# Altium PCB Monitait_V2.PcbDoc (part 1 of 2) (continued)
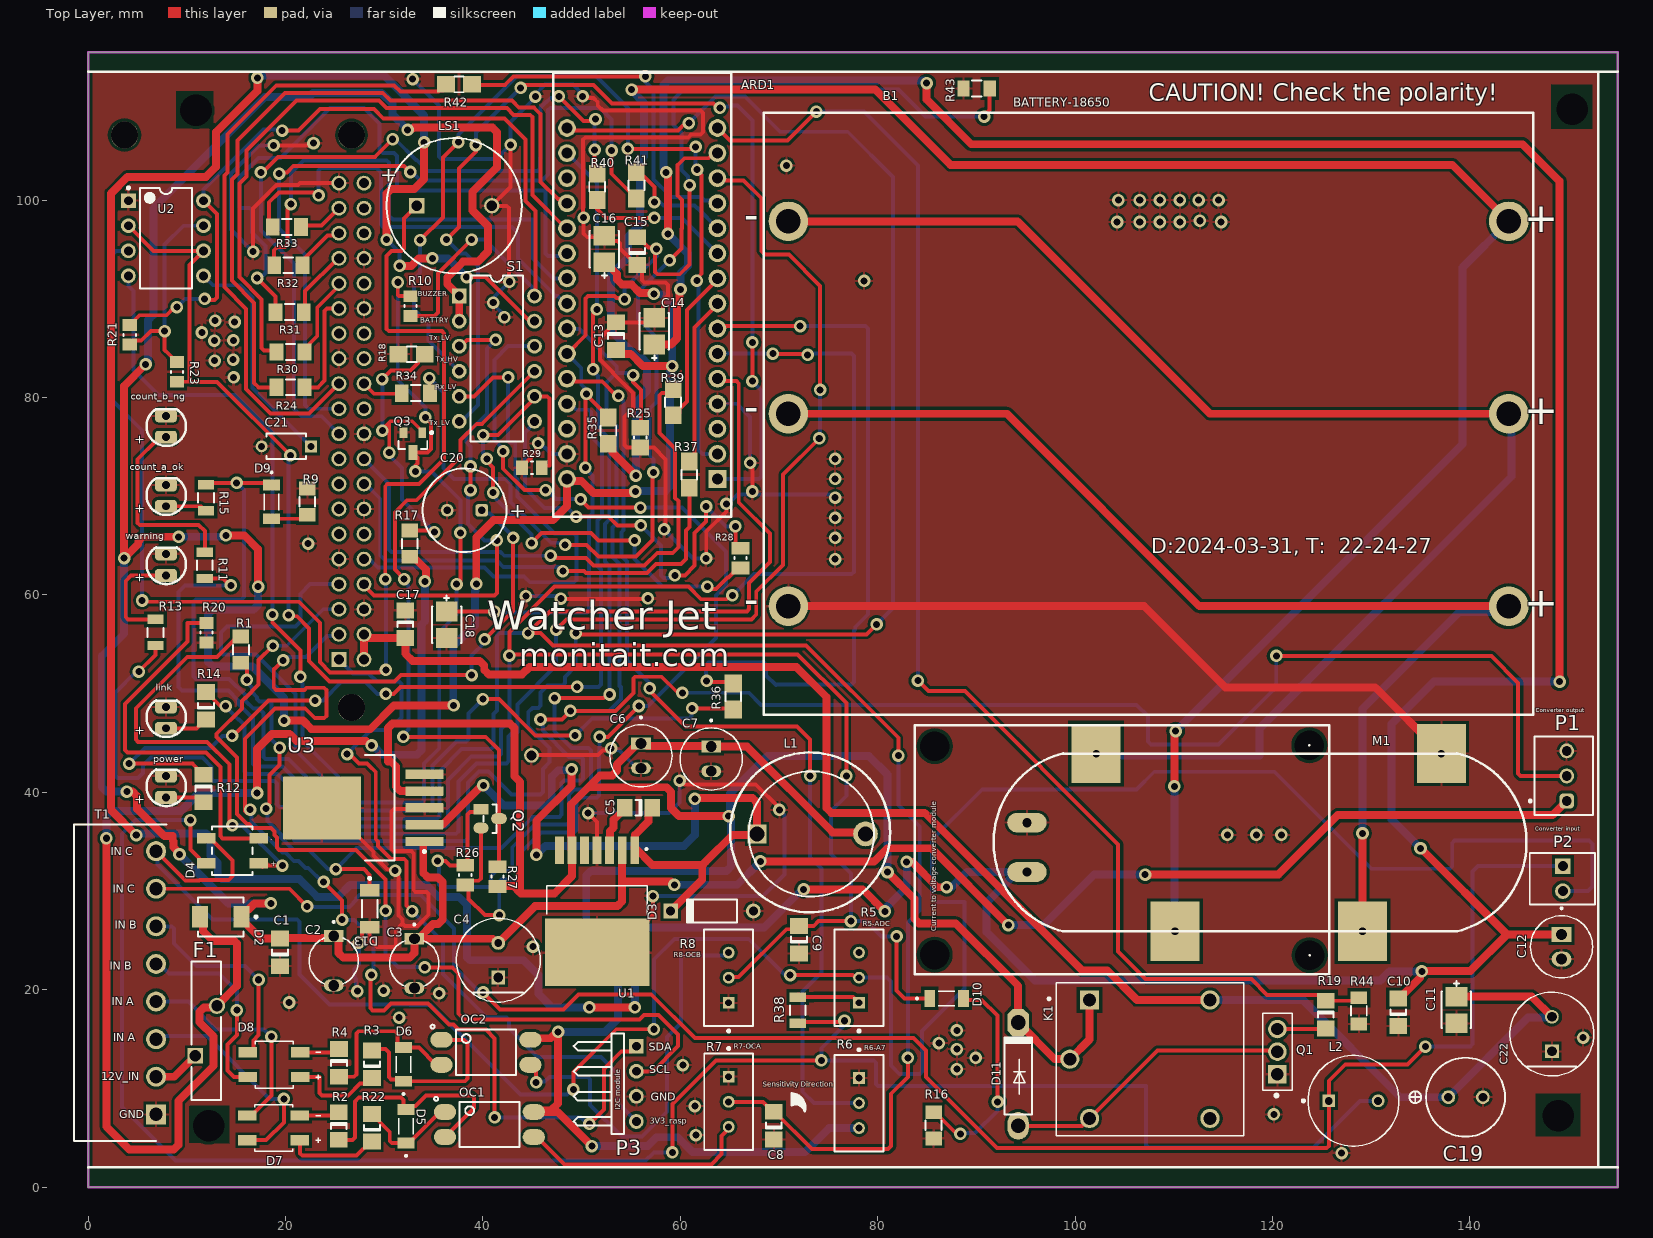
[diagram p0: Top Layer view]
## Part data (continued)
D3: library part 1N746A, "500 mW Hermetically Sealed Glass Silicon Zener Diode", Code_JEDEC=DO-204-AH, ComponentLink1Description="Manufacturer Link", ComponentLink1URL=http://www.onsemi.com/site/products/landing?taxonomyID=194, LatestRevisionDate=17-Jul-2002, LatestRevisionNote="Re-released for DXP Platform.", PackageDescription="Diode, Axial; Body 5.1 x 2.3 mm (LxDia. max), Lead Dia. 0.56 mm (max)", PackageReference=299-02, Published=29-Sep-2000, Publisher="Altium Limited"
D4: library part CMP-12791-000022-1, "BRIDGE RECT 1PHASE 1KV 800MA MBF", Capacitance=8pF, Forward Current=0.5A, Manufacturer="Diodes Incorporated", Max Junction Temp=+150°C, Max Repetitive Reverse Voltage=1000V, Max Surge Forward Current=30A, Package=MBF, Peak Reverse Current=0.2uA, Temperature="-55°C to +150°C", Temperature Range Low=-55°C, Automotive=No, Category=Diode, ComponentLink2Description=Datasheet, ComponentLink2URL=https://www.diodes.com/assets/Datasheets/MB10F.pdf, Device Class L1="Discrete Semiconductors", Device Class L2=Diodes, Device Class L3="Rectifier Diodes", Digikey Description="BRIDGE RECT 1PHASE 1KV 800MA MBF", Footprint Url=https://www.diodes.com/assets/Package-Files/MBF.pdf, Height=1.8mm, Lead Free=Yes, Manufacturer Part Number=MB10F-13, Mouser Description="Diode Rectifier Bridge Single 1000V 0.8A 4-Pin Case MBF T/R", Octopart=https://octopart.com/mb10f-13-diodes+inc.-82160020, Reverse Voltage=1000V, RoHS=TRUE, Temperature Range High=+150°C
D5 D6 D9 D10: "Zener Diode Single 18V 5% 21Ohm 500mW 2-Pin Mini-MELF", Package="MINI MELF-2-2 Taiwan Semiconductor", Availability="Not in stock", Check_prices=https://www.snapeda.com/parts/LLZ5248B/Taiwan+Semiconductor/view-part/?ref=eda, MF="Taiwan Semiconductor", MP=LLZ5248B, Price=None, SnapEDA_Link=https://www.snapeda.com/parts/LLZ5248B/Taiwan+Semiconductor/view-part/?ref=snap
D7 D8: "Bridge Rectifier Single Phase Standard 1 kV Surface Mount MBF", Package="SMD-4 Diodes Inc.", Availability="In Stock", Check_prices=https://www.snapeda.com/parts/MB10F-13/Diodes+Inc./view-part/?ref=eda, MF="Diodes Inc.", MP=MB10F-13, Price=None, Purchase-URL=https://pricing.snapeda.com/search/part/MB10F-13/?ref=eda, SnapEDA_Link=https://www.snapeda.com/parts/MB10F-13/Diodes+Inc./view-part/?ref=snap
D11: "1 Amp Diode"
D13: library part CMP-02541-000008-1, "DIODE ZENER 3.3V 500MW SOD80", Forward Current=200mA, Manufacturer=Vishay, Max Junction Temp=+175°C, Max Reverse Leakage Current=2uA, Max Zener Voltage=3.5V, Nom Zener Voltage=3.3V, Package=6.560-5005.01-4, Power Dissipation=500mW, Reverse Voltage=1V, Temperature="to +175°C", Automotive=Yes, Automotive Grade="Grade 0", Category=Diode, ComponentLink2Description=Datasheet, ComponentLink2URL=http://www.vishay.com/docs/84122/tzm.pdf, Device Class L1="Discrete Semiconductors", Device Class L2=Diodes, Device Class L3="Zener Diodes", Digikey Description="DIODE ZENER 3.3V 500MW SOD80", Height=1.6mm, Lead Free=Yes, Manufacturer Part Number=TZMC3V3-GS08, Mouser Description="Zener Diodes 3.3 Volt 0.5 Watt", Octopart=https://octopart.com/tzmc3v3-gs08-vishay-55388698, RoHS=TRUE, Temperature Range High=+175°C, Zener Impedance=90Ω
F1: library part CMP-08606-000051-1, "PTC RESET FUSE 30V 4A RADIAL", Ambient Temperature Range High=+85°C, Ambient Temperature Range Low=-40°C, Current Rating=100A, Hold Current=4A, Manufacturer=Littelfuse, Resistance=0.01-0.05Ω, Temperature="-40°C to +85°C", Trip Current=8A, Voltage Rating=30V, Automotive=No, Category=Fuse, ComponentLink2Description=Datasheet, ComponentLink2URL=https://www.littelfuse.com/~/media/electronics/datasheets/resettable_ptcs/littelfuse_ptc_radial_leaded_ruef_datasheet.pdf.pdf, Device Class L1="Circuit Protection", Device Class L2="PTC Resettable Fuses", Device Class L3=unset, Digikey Description="PTC RESET FUSE 30V 4A RADIAL", Height=19.3mm, Lead Free=Yes, Manufacturer Part Number=RUEF400, Mouser Description="PTC Resettable Fuse 4A(hold) 8A(trip) 30V 100A 2.5W 12.7s 0.01Ohm Radial 14 X 3 X 19.3mm Bag", Octopart=https://octopart.com/ruef400-littelfuse-74215791, Package=RUEF400, RoHS=TRUE, Temperature Range High=+85°C, Temperature Range Low=-40°C, Trip Time=12.7s
K1: "ORWH Series Miniature PCB Relay with Wash Tight 1-Pole 1-Form C 1 CO 12 VDC 400 Ohm 360 mW Silver Zinc Oxide", Package=None, Availability=Unavailable, MP=1-1721150-3, Price=None
L1: library part CMP-2000-05038-1, "Fixed Inductor, 10 uH, +/- 10%, -40 to 85 degC, 2-Pin THD, RoHS, Bulk", Case Diameter=12.7mm, Case Length=18mm, Inductance=10uH, Manufacturer=ABRACON, Maximum DC Current=8.8A, Maximum DC Resistance=0.031Ohms, Operating Temperature Range=-40Cto+125C, Package / Case=12.7mmx18mm, Package Description="2-Pin Through Hole Device, Dia 12.7 mm, Pitch 7.37 mm", Package Reference=AIUR-06, Tolerance=10%, Brand=ABRACON, Core Material=Ferrite, Datasheet URL=http://www.abracon.com/Magnetics/radial/AIUR05-06.pdf, Datasheet Version="Rev. 1.1, 08/2004", Factory Pack Quantity=250, Lead Diameter=0.81mm, Lead Spacing=7.37mm, Manufacturer URL=http://www.abracon.com/, Packaging=Bulk, Product=PowerInductors, Product Category=FixedInductors, RoHS=Details, Series=AIUR-06, Shielding=Unshielded, Termination Style=Radial, Type=ThruHolePowerInductor
L2: library part CMP-07248-000082-1, "FIXED IND 1MH 420MA 2.1 OHM TH", Case/Package=Radial, Current Rating=300mA, DC Resistance (DCR)=2.1R, Inductance=1mH, Inductance Tolerance=10%, Max Operating Temperature=105°C, Min Operating Temperature=-40°C, Package Quantity=200, Resistor Type=Wirewound, Self Resonant Frequency=1.3MHz, Test Frequency=252kHz, Body Material=Ferrite, Core Material=Ferrite, DC Current=300mA, Diameter=8.7mm, Height=12mm, Height - Seated (Max)=0.512inch, Lead Diameter=0.65mm, Lead Pitch=5mm, Lead/Base Style=Radial, Length=12mm, Material=Steel, Max DC Current=300mA, Military Standard=Not, Mount="Through Hole", Number of Pins=2, Orientation=Vertical, Packaging=Bulk, Q Factor=40, Radiation Hardening=No, REACH SVHC="No SVHC", Resistance=2.1R, RMS Current (Irms)=300mA, RoHS Compliant=Yes, Series=RLB, Shielding=Unshielded, Termination=Radial, Tolerance=10%
LS1: library part CMP-2000-06518-1, "Piezo Indicator, 4100 Hz, 3 to 16 V, -20 to 70 degC, 2-Pin THD, RoHS", Current - Max=7A, Frequency Range=3600to4600Hz, Manufacturer=KingstateElectronicsCorp., Maximum Resonant Frequency=4600Hz, Maximum Supply Current=7mA, Operating Temperature=-20to70°C, Package Description="2-Pin Through Hole Device, Body Dia 13.7 mm, Pitch 7.62 mm", PartNumber=KPE-242, Typical Operating Supply Voltage=12Vdc, Category=AudioIndicatorsandAlerts, Datasheet URL=https://datasheet.ciiva.com/11776/0900766b8068f3a2-11776713.pdf, Datasheet Version=01/2006, Manufacturer URL=http://www.kingstate.com.tw/index.php/en/, Minimum Sound Pressure=70dBA, Mounting=ThroughHole, Mounting Technology=ThroughHole, Package Reference=KPEG242, Product Diameter=13.7mm, Product Height=7.6mm, Technology=Piezo, Termination Method=Pin, Tone Mode=Continuous, Type=Indicator
OC1 OC2: "Optoisolator Transistor Output 5000Vrms 1 Channel 4-SMD", Package="SMD-4 SOCLE Technology", Availability="In Stock", Check_prices=https://www.snapeda.com/parts/PC81713NIP0X/SHARP%252FSocle+Technology/view-part/?ref=eda, MF="SHARP/Socle Technology", MP=PC81713NIP0X, Price=None, Purchase-URL=https://pricing.snapeda.com/search/part/PC81713NIP0X/?ref=eda, SnapEDA_Link=https://www.snapeda.com/parts/PC81713NIP0X/SHARP%252FSocle+Technology/view-part/?ref=snap
P1: library part CMP-1502-00585-2, Color=Beige, Contact Resistance=20mΩ, Current Rating=3A, Flammability Rating="UL94 V-0", Insulation Resistance=1GΩ, Max Operating Temperature=105°C, Min Operating Temperature=-40°C, Operating Supply Voltage=250V, Connector Type="Male Pin", Contact Gender=Male, Contact Material=Copper, Contact Mating Length=7.493mm, Contact Plating=Tin, Fastening Type=Friction, Gender=Male, Height=12.5mm, Housing Material=Nylon, Lead Pitch=2.54mm, Length=7.62mm, Mount="Through Hole", NexarPartId=18818222, Number of Contacts=3, Number of Pins=3, Number of Positions=3, Number of Rows=1, Orientation=Vertical, Packaging=Bulk, Pitch=2.54mm, REACH SVHC=Unknown, RoHS=Compliant, Termination="Through Hole", Voltage Rating=250V, Width=7.66mm
P2: library part CMP-04776-000057-1, "CONN HEADER VERT 2POS 2.54MM", Current Rating=4A, Manufacturer=Molex, Voltage Rating=500V, Automotive=No, Category=Conn, ComponentLink2Description=Datasheet, ComponentLink2URL=https://www.molex.com/pdm_docs/sd/022235024_sd.pdf, Conn Gender=Male, Conn Orientation=Straight, Contact Material=Tin,Nickel, Device Class L1=Connectors, Device Class L2="Headers and Wire Housings", Device Class L3=unset, Digikey Description="CONN HEADER VERT 2POS 2.54MM", Height=8.43mm, Lead Free=Yes, Manufacturer Part Number=22-23-5024, Mouser Description="Headers & Wire Housings KK 100 Hdr Assy FLk Assy FLk 02 ckt Tin", Number of Contacts=2, Number of Rows=1, Octopart=https://octopart.com/22-23-5024-molex-6792956, Package=22-23-5024, Pitch=2.54mm, RoHS=TRUE
P3: "Header, 4-Pin, Right Angle", LatestRevisionDate=17-Jul-2002, LatestRevisionNote="Re-released for DXP Platform.", Publisher="Altium Limited"
Q1: "TRANSISTOR, NPN, TO-126; Transistor Polarity:NPN; Collector Emitter Voltage V(br)ceo:45V; Power Dissipation Pd:12.5W; DC Collector Current:1A; DC Current Gain hFE:40; Transistor Case Style:TO-126; No. of Pins:3; SVHC:No SVHC (18-Jun-2012); Collector Emitter Voltage Vces:500mV; Continuous Collector Current Ic Max:1A; Current Ic Continuous a Max:1A; Current Ic hFE:150mA; Full Power Rating Temperature:25Â°C; Hfe Min:40; No. of Transistors:1; Package / Case:TO-126; Power Dissipation Pd:12.5W; Power Dissipation Ptot Max:12.5W; Termination Type:Through Hole; Voltage Vcbo:45V", Package="TO-225-3 ON Semiconductor", Availability="In Stock", Check_prices=https://www.snapeda.com/parts/BD135/Onsemi/view-part/?ref=eda, MF="ON Semiconductor", MP=BD135, Price=None, Purchase-URL=https://pricing.snapeda.com/search/part/BD135/?ref=eda, SnapEDA_Link=https://www.snapeda.com/parts/BD135/Onsemi/view-part/?ref=snap
Q2: library part CMP-07173-000101-1, "MOSFET N-CH 50V 220MA SOT-23", Case/Package=SOT-23, Continuous Drain Current (ID)=220mA, Drain to Source Breakdown Voltage=50V, Drain to Source Resistance=3.5R, Gate to Source Voltage (Vgs)=20V, Input Capacitance=27pF, Max Operating Temperature=150°C, Max Power Dissipation=360mW, Min Operating Temperature=-55°C, On-State Resistance=6R, Package Quantity=1, Threshold Voltage=1.3V, Contact Plating=Tin, Current Rating=220mA, Drain to Source Voltage (Vdss)=50V, Dual Supply Voltage=50V, Element Configuration=Single, Fall Time=9ns, Height=0.93mm, Lead Free="Lead Free", Length=2.92mm, Mount="Surface Mount", Nominal Vgs=1.3V, Number of Elements=1, Number of Pins=3, Packaging="Tape and Reel", Power Dissipation=360mW, Radiation Hardening=No, Rds On Max=3.5R, REACH SVHC="No SVHC", Rise Time=9ns, Termination=SMD/SMT, Turn-Off Delay Time=20ns, Turn-On Delay Time=2.5ns, Voltage Rating (DC)=50V, Weight=0.03g, Width=1.3mm
Q3: library part CMP-1048-00736-1, "General Purpose Transistor, NPN Silicon, 3-Pin SOT-23, Pb-Free, Tape and Reel", Manufacturer="On Semiconductor", ComponentLink1Description="Manufacturer URL", ComponentLink1URL=http://www.onsemi.com/, ComponentLink2Description=Datasheet, ComponentLink2URL=http://www.onsemi.com/pub_link/Collateral/BC817-16LT1-D.PDF, ComponentLink3Description="Package Specification", ComponentLink3URL=http://www.onsemi.cn/pub_link/Collateral/318-08.PDF, DatasheetVersion="Rev. 12", fT Min (MHz)=100, IC Continuous (A)=0.5, Mounting Technology="Surface Mount", PackageDescription="3-Pin Small Outline Transistor, Body 2.92 x 1.3 mm, Pitch 0.95 mm", PackageReference=SOT-23-3-318-08, PackageVersion="Rev. AP, 11/2009", Packing="Tape and Reel", PartNumber=BC817-16LT1G, Polarity=NPN, RoHS=TRUE
R1 R9 R11 R13 R15 R16 R17 R18 R35 R36 R37 R38 R39 R40 R41 R42 R43 R44: library part CMP-2003-04827-2, "RES Thick Film, 118kΩ, 1%, 0.25W, 100ppm/°C, 1206", Case Code (Imperial)=1206, Case Code (Metric)=3216, Max Operating Temperature=155°C, Max Power Dissipation=250mW, Min Operating Temperature=-55°C, Package Quantity=10, Resistance=118kR, Temperature Coefficient=100ppm/°C, Tolerance=1%, Voltage Rating=200V, Case/Package=1206, Composition="Thick Film", Contact Plating=Tin, Depth=1.6mm, Features="Automotive AEC-Q200", Height=0.024inch, Lead Free="Lead Free", Length=3.2mm, Military Standard=Not, Number of Pins=2, Number of Terminations=2, Packaging="Tape and Reel", Power Rating=250mW, Radiation Hardening=No, Termination=SMD/SMT, Voltage Rating (DC)=200V, Weight=0.000353oz, Width=0.063inch
R2 R3 R4 R12 R14 R19 R22: library part "Resistor SMD", "Resistor", LatestRevisionDate=17-Jul-2002, LatestRevisionNote="Re-released for DXP Platform.", PackageDescription="Axial Device, Thru-Hole; 2 Leads; 0.4 in Pin Spacing", PackageReference=AXIAL-0.4, Published=8-Jun-2000, Publisher="Altium Limited"
R5 R6 R7 R8: library part CMP-1747-00001-8, "TRIMMER 10K OHM 0.5W PC PIN TOP", Color=Blue, Insulation Resistance=1GR, Max Operating Temperature=125°C, Max Power Dissipation=500mW, Min Operating Temperature=-55°C, Package Quantity=50, Resistance=10kR, Resistance Tolerance=10%, Resistor Type=Cermet, Temperature Coefficient=100ppm/°C, Contact Plating=Tin, Depth=4.83mm, Height=11.55mm, Lead Free="Lead Free", Length=9.53mm, Military Standard=Not, Mount="Through Hole", Number of Turns=25, Packaging=Rail/Tube, Power Rating=500mW, Radiation Hardening=No, Reach SVHC Compliant=Yes, RoHS Compliant=Yes, Series=3296, Taper=Linear, Technology=CERMET, Termination=Pin, Tolerance=10%, Weight=0.03oz, Width=9.53mm
R10 R20 R21 R23 R25 R26 R27 R28 R29: library part CMP-2100-03673-1, "Chip Resistor, 0 Ohm, Jumper, +/- 5%, 0.125 W, -55 to 155 degC, 0805 (2012 Metric), RoHS, Tape and Reel", Case Code (Imperial)=0805, Case Code (Metric)=2012, Manufacturer=Yageo, Max Operating Temperature=155degC, Min Operating Temperature=-55degC, Package Description="2-Pin Surface Mounted Device, Body 2 x 1.25 mm", Power Rating=125mW, Resistance=0mOhm, Temperature Coefficient=200ppm/degreesC, Tolerance=5%, Voltage Rating=150V, Case/Package=0805, Composition=ThickFilm, Contact Plating=Tin, Datasheet URL=http://www.yageo.com/NewPortal/yageodocoutput?fileName=/pdf/R-Chip/PYu-RC_Group_51_RoHS_L_5.pdf, Datasheet Version="Rev. 5, 10/2016", Depth=1.25mm, Height=0.5mm, Lead Free=LeadFree, Length=2mm, Manufacturer URL=http://www.yageo.com/, Military Standard=Not, Number of Pins=2, Package Reference=0805, Packaging=TapeandReel, Radiation Hardening=No, REACH SVHC=Unknown, RoHSCompliant=true, Termination=SMD/SMT, Voltage Rating (DC)=150V, Width=1.25mm
R24 R30 R31 R32 R33 R34: library part CMP-2003-04801-2, "RES Thick Film, 100Ω, 1%, 0.25W, 100ppm/°C, 1206", Case Code (Imperial)=1206, Case Code (Metric)=3216, Max Operating Temperature=155°C, Min Operating Temperature=-55°C, Package Quantity=5000, Power Rating=250mW, Resistance=100R, Temperature Coefficient=100ppm/°C, Tolerance=1%, Voltage Rating=200V, Case/Package=1206, Composition="Thick Film", Contact Plating=Tin, Depth=1.6mm, Height=0.55mm, Lead Free="Lead Free", Length=3.2mm, Military Standard=Not, Mount="Surface Mount", Number of Pins=2, Packaging="Tape and Reel", Radiation Hardening=No, Termination=SMD/SMT, Voltage Rating (DC)=200V, Weight=0.000353oz, Width=1.6mm
S1: "DIP Switch, 6 Position, SPST", LatestRevisionDate=17-Jul-2002, LatestRevisionNote="Re-released for DXP Platform.", PackageDescription="DIP Switch; 12 Leads", PackageReference=DIP-12/SW, Published=24-Mar-1999, Publisher="Altium Limited"
T1: "8 Position Terminal Block Header, Male Pins, Shrouded (4 Side) 0.150 (3.81mm) 90Â°, Right Angle - Through Hole", Package=None, Availability="In Stock", Check_prices=https://www.snapeda.com/parts/1803332/Phoenix+Contact/view-part/?ref=eda, MF="Phoenix Contact", MP=1803332, Price=None, Purchase-URL=https://pricing.snapeda.com/search?q=1803332&ref=eda, SnapEDA_Link=https://www.snapeda.com/parts/1803332/Phoenix+Contact/view-part/?ref=snap
U1: "8V to 40V, 5A SIMPLE SWITCHER buck converter with high efficiency 7-DDPAK/TO-263 -40 to 125", Package="TO-263-7 Texas Instruments", Availability=Warning, MF="Texas Instruments", MP=LM2678S-5.0, Price=None, Purchase-URL=https://pricing.snapeda.com/search/part/LM2678S-5.0/?ref=eda, SnapEDA_Link=https://www.snapeda.com/parts/LM2678S-5.0/Texas%20Instruments/view-part/15037/?ref=snap
U2: library part CMP-2000-04954-1, "Precision Timer, 4.5 to 16 V, 0 to 70 degC, 8-Pin DIP, Pb-Free, Tube", Manufacturer=TexasInstruments, Maximum High Level Output Current=-200mA, Maximum Low Level Output Current=200mA, Operating Supply Voltage=5, Package=8PDIP, Package Description="8-Pin Double In-line Package, Body 9.59 x 6.35 mm, Pitch 2.54 mm", Package Reference=P8, Category=Timer, Datasheet URL=http://www.ti.com/general/docs/lit/getliterature.tsp?genericPartNumber=NE555&fileType=pdf, Datasheet Version="Rev. I, 09/2014", Manufacturer URL=http://www.ti.com/, Number of Internal Timers=1, Package URL=http://www.ti.com/lit/ml/mpdi001b/mpdi001b.pdf, Packaging=Rail/Tube, Rad Hard=No, Type=Standard
U3: library part CMP-2000-06545-1, "Simple Switcher(R) Power Converter 150 kHz Step-Down Voltage Regulator, 3 A, 4.5 to 40 V, -40 to 125 degC, 5-Pin TO-263 (KTT), Green (RoHS & no Sb/Br), Tape and Reel", Manufacturer="Texas Instruments", Operating Temperature Max=125°C, Operating Temperature Min=-40°C, Operating Temperature Range=-40°Cto+125°C, Output Current=3A, Output Voltage=37V, Package Description="5-Pin Plastic Flange Mount, Body 10.16 x 8.925 mm, Pitch 1.7 mm", Package Reference=KTT5, Package Version="4200577-4/G, 01/2013", PartNumber=LM2596, Primary Input Voltage=40V, Voltage Regulator Case Style=TO-263, Datasheet URL=http://www.ti.com/lit/ds/symlink/lm2596.pdf, Datasheet Version="Rev. C, 04/2013", Manufacturer URL=http://www.ti.com/, Mounting Technology=SurfaceMount, MSL=MSL3-168hours, No. of Outputs=1, No. of Pins=5, Number of Outputs=1, Package URL=http://www.ti.com/litv/pdf/mpsf007e, SVHC=NoSVHC(19-Dec-2012)

## Free pads (board coordinates)
  round 3 hole 3.2: 3(10.922,109.093) 3(12.192,6.223) 3(148.971,7.239) 3(150.368,109.22)
  round 0 hole 3: 8(85.787,44.679) 9(85.766,23.533) 10(123.78,23.501) 12(123.745,44.763)
  round 1.5 hole 1: 13(44.911,43.738)

## Via types
v1: diameter 1.27, hole 0.711, Top Layer to Bottom Layer, 300 vias

## Nets (pads, with @x,y where several pads share a name; then routed paths per layer and width w, separated by ;. In a path a pad name is that pad's centre, name@x,y a point inside that pad or via, vN(x,y) a via of type N, cw(c..) or ccw(c..) an arc to the next point about the centre after c; other vN are vias at no path point)
3.7V: B1.B1+ B1.B2- M1.B1 | length 122.8
  Top Layer w0.8: B1.B2-@70.942,78.359 93.091,78.359 112.591,58.859 B1.B1+@143.942,58.859 B1.B1+@143.942,58.806 ; M1.B1@129.125,25.925 v1(129.125,35.844)
  Bottom Layer w0.8: v1(129.125,35.844) 129.125,48.457 138.915,58.247 143.33,58.247 B1.B1+@143.942,58.859
3V3: ARD1.17 Q2.1 R26.2 | length 110.2
  Top Layer w0.4: v1(35.407,33.053) 36.197,33.053 36.666,32.584 38.437,32.584 38.437,37.753 38.671,37.988 39.51,37.988 Q2.1@39.805,38.283 ; v1(47.252,49.535) 52.22,49.535 52.597,49.911 v1(52.832,49.911) ; v1(51.153,82.851) 51.153,88.528 v1(51.552,88.926)
  Bottom Layer w0.4: v1(35.407,33.053) 35.561,32.899 35.561,30.667 35.816,30.412 40.566,30.412 40.8,30.647 40.8,31.512 41.303,32.015 42.73,32.015 42.965,32.25 42.965,34.432 45.255,36.722 48.48,36.722 48.715,36.957 48.715,39.775 49.224,40.284 50.719,40.284 50.954,40.518 50.954,44.248 50.719,44.482 48.956,44.482 47.252,46.187 v1(47.252,49.535) ; ARD1.17@48.514,104.775 51.552,101.737 v1(51.552,88.926) ; v1(51.153,82.851) 51.153,82.667 51.638,82.182 51.638,77.013 52.795,75.856 52.795,67.654 52.347,67.206 52.347,63.369 52.832,62.885 v1(52.832,49.911)
3V3_Rasp: A1.1 P3.4 | length 73.5
  Top Layer w0.4: v1(26.232,43.864) 26.482,43.864 27.424,42.922 28.257,42.922 28.449,42.73 29.132,42.047 29.132,35.242 29.366,35.008 29.366,34.539 30.659,33.246 32.004,33.246 32.239,33.012 32.239,28.547 v1(32.823,27.962)
  Bottom Layer w0.4: A1.1@25.4,53.467 26.82,52.047 28.419,52.047 29.258,51.209 31.494,51.209 31.728,50.974 31.728,47.585 30.435,46.292 28.66,46.292 v1(26.232,43.864) ; v1(32.823,27.962) 35.932,24.853 35.932,21.608 40.338,17.203 42.388,17.203 42.622,16.968 42.622,16.093 45.527,13.188 51.943,13.188 53.637,11.494 53.637,8.553 P3.4@55.541,6.648
5V: C6.P C7.P D11.K K1.A1 K1.COM L1.2 OC1.4 OC2.4 R6.3 R27.2 U1.6 U3.4 | length 267.6
  Top Layer w0.8: U3.4@34.057,40.119 31.642,40.119 31.173,40.587 31.173,42.625 30.705,43.094 30.403,43.094 30.365,43.132 30.365,46.511 30.833,46.98 42.718,46.98 43.187,46.511 43.187,41.626 43.757,41.056 43.757,29.857 ; R27.2@41.227,30.498 43.116,30.498 43.757,29.857 ; OC2.4@44.798,14.918 44.951,15.071 46.853,15.071 47.493,15.711 v1(47.62,15.711) 47.62,8.483 46.898,7.76 45.301,7.76 OC1.4@45.148,7.607 47.57,7.607 v1(51.024,4.153) ; v1(64.897,37.592) 59.868,37.592 59.055,38.405 59.055,40.044 58.586,40.513 50.667,40.513 ; L1.2@78.763,35.779 78.601,35.941 75.438,35.941 66.751,44.628 C7.P@63.127,44.628 63.05,44.704 56.641,44.704 56.407,44.938 55.607,44.938 55.407,44.738 55.407,44.662 53.578,42.833 53.578,42.188 53.11,41.719 51.873,41.719 50.667,40.513 ; v1(80.993,31.914) 83.708,29.199 83.708,27.811 83.721,27.798 83.721,27.184 84.19,26.715 87.909,26.715 94.234,20.39 D11.K@94.234,16.665 97.945,12.954 K1.COM@99.469,12.954 101.469,14.954 K1.A1@101.469,18.954 ; 43.757,29.857 43.857,29.756 47.266,29.756 49.022,31.512 U1.6@49.022,34.13 48.977,34.175 48.977,35.449 48.937,35.49 48.937,38.783 50.667,40.513
  Bottom Layer w0.8: v1(47.62,15.711) 52.352,15.711 53.682,17.04 53.682,21.375 50.464,24.593 50.464,31.566 50.932,32.034 64.682,32.034 65.151,32.503 65.151,37.211 64.897,37.465 v1(64.897,37.592) ; v1(51.024,4.153) 56.693,4.153 57.582,5.042 59.737,5.042 61.223,3.556 72.644,3.556 75.057,5.969 R6.3@78.105,5.969 ; v1@65.024,38.051 65.024,39.878 68.072,42.926 68.834,43.688 79.102,43.688 80.993,41.797 v1(80.993,31.914)
5V_RPI: A1.2 A1.4 C11.2 C17.2 C19.1 C22.2 K1.NC | length 164.6
  Top Layer w0.8: A1.2@27.94,53.467 A1.4@27.94,56.007 28.324,55.623 C17.2@32.131,55.623 32.131,54.052 32.872,53.311 39.66,53.311 40.129,52.842 40.129,52.412 40.598,51.943 43.942,51.943 44.704,52.705 71.755,52.705 74.823,49.637 74.823,38.39 75.291,37.921 84.761,37.921 100.711,21.971 103.251,21.971 106.268,18.954 K1.NC@113.669,18.954 ; C11.2@138.643,19.292 146.278,19.292 C22.2@148.318,17.253
  Bottom Layer w0.8: K1.NC@113.669,18.954 123.097,18.954 132.95,9.101 C19.1@137.821,9.101 145.904,17.184 148.249,17.184 C22.2@148.318,17.253
7.4V: B1.B2+ B1.B3- M1.B2 | length 143.1
  Top Layer w0.8: B1.B3-@70.942,97.859 94.165,97.859 113.665,78.359 B1.B2+@143.942,78.359
  Bottom Layer w0.8: M1.B2@102.125,43.925 102.346,43.704 118.697,43.704 118.697,46.473 144.243,72.019 144.243,78.058 B1.B2+@143.942,78.359
11.1V: B1.B3+ M1.B+ R35.2 | length 228.1
  Top Layer w0.799: R35.2@52.705,75.326 53.135,74.896 53.135,74.445 v1(55.487,72.092) ; v1(55.072,111.207) 79.747,111.207 87.373,103.58 138.221,103.58 B1.B3+@143.942,97.859 ; v1(110.062,40.604) 110.062,46.03 110.234,46.202 v1(110.191,46.202)
  Bottom Layer w0.799: v1(55.072,111.207) 55.072,111.093 56.312,109.854 56.312,104.424 55.895,104.007 55.895,97.494 54.719,96.318 54.719,94.222 52.991,92.494 52.991,86.719 55.758,83.952 56.172,83.952 56.64,83.484 56.64,80.668 55.487,79.515 v1(55.487,72.092) ; v1(110.062,40.604) 110.062,25.988 M1.B+@110.125,25.925 ; v1(110.191,46.202) 139.259,75.269 139.259,93.176 B1.B3+@143.942,97.859
12V_IN_D2: ARD1.30 C1.2 C2.P C3.P C4.2 C13.2 C16.2 D2.1 P1.1 S1.1 S1.2 U1.2 U3.1 | length 460.5
  Top Layer w0.8: v1(3.913,40.073) 4.479,40.073 4.948,39.605 4.948,38.321 7.708,35.561 8.56,35.561 8.56,35.107 8.637,35.03 8.637,34.441 9.248,33.83 v1(9.248,33.703) ; v1(5.824,83.364) 3.641,81.181 v1(3.641,63.729) 5.063,65.152 5.063,65.422 5.532,65.891 v1(9.169,65.891) ; v1(13.947,66.04) 15.805,66.04 17.203,64.642 v1(17.203,60.851) ; v1(18.511,28.74) 16.844,28.74 15.379,27.274 17.478,25.175 C1.2@19.441,25.175 19.501,25.235 24.685,25.235 C2.P@24.874,25.424 25.168,25.424 25.368,25.224 25.368,23.71 25.837,23.241 32.574,23.241 33.043,23.71 C3.P@33.043,25.163 C3.P@33.443,25.163 ; v1(19.843,47.268) 21.761,47.268 22.641,46.389 28.572,46.389 30.969,48.785 36.999,48.785 v1(37.023,48.81) ; v1(32.366,107.132) 32.456,107.222 32.818,107.222 32.945,107.349 40.959,107.349 41.428,106.88 41.428,103.329 38.944,100.846 38.944,98.947 40.513,97.378 40.513,94.797 39.489,93.773 37.992,93.773 36.38,92.161 36.38,91.498 S1.1@37.592,90.286 S1.2@37.592,87.746 ; U3.1@34.057,35.019 33.982,34.944 33.949,34.944 33.949,31.839 34.418,31.371 35.451,31.371 35.92,30.902 35.92,27.113 35.467,26.66 34.94,26.66 C3.P@33.443,25.163 ; v1(39.323,61.122) 39.323,65.823 41.077,67.578 47.102,67.578 48.514,68.99 ARD1.30@48.514,71.755 48.705,71.564 49.96,71.564 51.196,70.328 54.904,70.328 54.965,70.39 55.356,70.39 v1(55.446,70.48) ; C16.2@52.297,93.703 52.397,93.703 53.563,92.537 53.563,91.981 54.104,91.44 55.078,91.44 55.911,90.606 57.223,90.606 v1(57.313,90.516) ; C13.2@53.484,84.826 53.884,84.426 54.967,84.426 56.207,83.186 v1(59.175,83.186) ; U1.2@54.102,34.13 54.102,31.026 ; v1(59.39,30.628) 59.045,30.973 54.155,30.973 54.102,31.026 ; v1(68.119,32.99) 79.637,32.99 80.974,34.327 85.44,34.327 v1(93.232,26.535) ; v1(107.104,31.667) 120.599,31.667 126.623,37.691 148.395,37.691 P1.1@149.822,39.119 ; C3.P@33.443,25.163 40.988,25.163 41.411,24.739 C4.2@41.547,24.739 45.289,28.482 53.633,28.482 54.102,28.95 54.102,31.026
  Bottom Layer w0.8: v1(3.641,63.729) 3.641,56.072 1.364,53.796 1.364,40.542 1.833,40.073 v1(3.913,40.073) ; v1(5.824,83.364) 6.065,83.605 6.065,87.854 6.596,88.384 6.596,99.169 17.888,110.462 22.376,110.462 22.786,110.871 29.713,110.871 30.822,109.762 30.822,108.676 v1(32.366,107.132) ; v1(9.169,65.891) 13.797,65.891 v1(13.947,66.04) ; v1(9.248,33.703) 14.211,28.74 v1(18.511,28.74) ; v1(17.203,60.851) 17.203,58.984 16.735,58.515 12.623,58.515 12.154,58.046 12.154,53.215 12.623,52.747 16.649,52.747 19.843,49.553 v1(19.843,47.268) ; v1(37.023,48.81) 36.991,48.842 36.991,54.814 38.221,56.044 38.333,56.044 39.179,56.89 39.179,60.371 39.233,60.425 39.233,61.032 v1(39.323,61.122) ; v1(55.446,70.48) 55.511,70.545 58.49,70.545 58.958,71.014 58.958,82.601 59.175,82.817 v1(59.175,83.186) 59.175,89.424 58.132,90.467 57.362,90.467 v1(57.313,90.516) ; v1(59.39,30.628) 65.757,30.628 v1(68.119,32.99) ; v1(93.232,26.535) 96.809,26.535 101.941,31.667 v1(107.104,31.667)
12V_Lm555: D2.2 F1.2 R17.2 | length 129.9
  Top Layer w0.8: v1(1.841,35.342) 1.841,6.115 4.157,3.799 8.663,3.799 9.131,4.268 9.131,8.71 12.712,12.291 12.712,15.269 11.254,16.726 11.254,17.728 11.723,18.196 12.873,18.196 F1.2@13.036,18.359 15.059,20.383 15.059,24.682 14.825,24.916 12.654,24.916 11.644,25.925 11.644,27.069 D2.2@11.332,27.381 ; v1(17.106,39.929) 17.106,44.396 18.617,45.906 20.406,45.906 21.098,45.215 28.129,45.215 28.595,44.749 v1(28.723,44.749) ; R17.2@32.578,63.871 32.929,63.871 34.206,62.593 34.206,61.471 v1(34.112,61.377)
  Bottom Layer w0.8: v1(1.841,35.342) 1.841,37.619 2.331,38.109 9.402,38.109 11.222,39.929 v1(17.106,39.929) ; v1(28.723,44.749) 28.85,44.749 29.797,43.801 33.302,43.801 33.77,44.27 33.77,56.986 34.112,57.327 v1(34.112,61.377)
A0: ARD1.19 R24.1 | length 72.2
  Top Layer w0.4: R24.1@19.074,81.042 17.238,81.042 16.812,81.467 16.812,89.595 14.559,91.848 14.559,102.109 15.113,102.663 15.113,106.045 19.939,110.871 29.845,110.871 30.607,110.109 42.926,110.109 43.664,109.371 45.188,109.371 45.847,108.712 45.847,101.854 47.599,100.102 47.729,100.102 48.135,99.695 ARD1.19@48.514,99.695
A1: ARD1.20 R30.1 | length 67.5
  Top Layer w0.4: R30.1@19.06,84.622 18.899,84.783 17.81,84.783 17.575,85.017 17.575,89.934 15.314,92.195 15.314,101.679 16.021,102.386 16.021,105.048 21.082,110.109 29.464,110.109 30.226,109.347 42.418,109.347 43.112,108.653 44.792,108.653 45.026,108.419 45.026,100.516 48.387,97.155 ARD1.20@48.514,97.155
A2: ARD1.21 R31.1 | length 66.2
  Top Layer w0.4: v1(17.108,92.116) 18.987,90.237 R31.1@18.987,88.661
  Bottom Layer w0.4: v1(17.108,92.116) 17.298,92.306 17.639,92.306 17.947,92.614 17.947,95.356 16.599,96.704 16.599,98.981 16.364,99.215 15.467,99.215 15.314,99.369 15.314,102.343 17.265,104.294 19.497,104.294 20.828,105.625 20.828,105.664 24.511,109.347 27.94,109.347 29.505,107.782 29.505,105.115 29.845,104.775 30.988,104.775 31.305,104.457 31.305,101.199 31.54,100.965 46.228,100.965 46.355,100.838 46.355,94.595 46.589,94.361 48.26,94.361 ARD1.21@48.514,94.615
A3: ARD1.22 R32.1 | length 49.4
  Top Layer w0.4: R32.1@18.844,93.411 18.844,94.926 19.173,95.254 19.959,95.254 20.206,95.501 20.206,99.04 20.539,99.374 v1(20.539,99.609)
  Bottom Layer w0.4: v1(20.539,99.609) 20.539,102.761 21.82,104.042 30.246,104.042 30.48,103.807 30.48,98.425 30.861,98.044 45.085,98.044 45.085,94.107 47.117,92.075 ARD1.22@48.514,92.075
A4: ARD1.23 R33.1 | length 46.3
  Top Layer w0.4: R33.1@18.701,97.285 18.334,97.652 18.334,99.792 19.323,100.782 22.802,100.782 23.099,100.484 v1(23.335,100.484)
  Bottom Layer w0.4: v1(23.335,100.484) 23.335,103.017 23.569,103.251 29.21,103.251 29.654,102.806 29.654,97.516 29.889,97.282 42.926,97.282 43.561,96.647 43.561,94.107 47.371,90.297 47.58,90.297 48.342,89.535 ARD1.23@48.514,89.535
A5: ARD1.24 D13.1 P1.2 R1.2 R25.1 | length 254.2
  Top Layer w0.4: R1.2@15.47,53.121 15.569,53.121 16.069,52.621 v1(16.069,51.39) ; v1(18.02,38.347) 18.02,38.582 18.368,38.93 18.368,41.73 19.391,42.754 v1(19.391,44.513) ; v1(25.085,32.217) 27.929,32.217 28.52,31.626 D13.1@28.52,30.085 ; v1(45.829,47.377) 47.987,47.377 v1(48.863,48.253) 53.414,48.253 55.235,50.074 55.235,51.53 55.414,51.709 58.111,51.709 59.735,50.085 v1(60.2,50.085) ; v1(55.205,82.273) 55.205,81.569 56.007,80.767 56.007,77.008 R25.1@55.945,76.946 ; v1(120.387,53.815) 142.181,53.815 144.9,51.096 144.9,41.893 145.134,41.659 P1.2@149.822,41.659
  Bottom Layer w0.4: v1(16.069,51.39) 16.069,51.154 16.586,50.637 16.586,50.165 17.119,49.631 17.119,49.452 17.354,49.218 18.318,49.218 18.553,48.983 18.553,45.364 19.391,44.526 v1(19.391,44.513) ; v1(18.02,38.347) 18.178,38.188 18.178,37.072 19.545,35.705 19.545,35.41 20.339,34.616 20.353,34.616 20.802,34.166 22.353,34.166 24.302,32.217 v1(25.085,32.217) 27.206,34.338 41.87,34.338 44.797,37.265 44.797,37.277 45.031,37.511 47.743,37.511 47.977,37.745 47.977,40.94 48.211,41.175 49.905,41.175 50.14,41.409 50.14,43.357 49.905,43.592 48.735,43.592 46.064,46.263 46.064,46.708 45.995,46.776 45.995,47.211 v1(45.829,47.377) ; ARD1.24@48.514,86.995 48.582,86.927 49.767,86.927 53.555,83.139 53.555,82.531 53.493,82.469 ; v1(48.863,48.253) 52.779,48.253 53.967,49.441 53.967,50.661 53.848,50.78 53.848,63.119 53.116,63.851 53.116,66.832 53.547,67.263 53.547,77.136 52.533,78.15 52.533,81.509 53.493,82.469 ; v1(55.205,82.273) 55.039,82.44 54.565,82.44 54.536,82.469 53.493,82.469 ; v1(60.2,50.085) 66.955,50.085 68.181,48.859 106.244,48.859 107.389,47.714 107.389,45.144 107.7,44.833 114.539,44.833 120.387,50.681 v1(120.387,53.815)
A6: ARD1.25 C15.2 C18.2 R35.1 R43.2 | length 124
  Top Layer w0.4: C18.2@36.322,58.33 36.617,58.625 36.941,58.302 v1(41.166,58.302) ; ARD1.25@48.514,84.455 48.544,84.455 50.411,86.323 50.411,90.036 50.646,90.27 53.332,90.27 53.527,90.075 54.248,90.075 v1(54.361,89.962) ; v1(50.374,72.896) 50.374,77.768 50.379,77.773 50.379,80.268 v1(50.488,80.378) 50.488,80.265 52.705,78.049 R35.1@52.705,77.978 ; C15.2@55.621,96.246 55.721,96.246 56.779,95.189 57.445,95.189 v1(57.562,95.072) 57.562,94.749 57.43,94.617 57.43,92.73 57.665,92.496 59.938,92.496 60.937,93.495 v1(60.937,101.528) ; v1(90.788,108.462) 90.788,108.572 91.348,109.131 R43.2@91.348,111.312
  Bottom Layer w0.4: v1(41.166,58.302) 41.244,58.224 50.528,58.224 50.762,58.459 50.762,67.916 51.099,68.253 51.099,72.102 50.374,72.827 v1(50.374,72.896) ; ARD1.25@48.514,84.455 49.956,83.013 49.956,81.333 50.488,80.8 v1(50.488,80.378) ; v1(54.361,89.962) 54.361,91.067 57.612,94.319 ; v1(60.937,101.528) 60.771,101.694 60.771,102.406 60.096,103.08 60.096,106.837 59.325,107.609 59.325,110.157 59.48,110.312 59.48,110.363 60.323,111.207 82.088,111.207 84.833,108.462 v1(90.788,108.462)
A7: ARD1.26 R6.2 | length 98.7
  Top Layer w0.4: ARD1.26@48.514,81.915 48.782,81.647 49.427,81.647 49.448,81.626 52.086,81.626 53.534,80.178 v1(53.716,80.178) ; v1(56.884,50.533) 56.884,50.334 60.54,46.678 71.813,46.678 73.152,45.339 v1(73.152,41.656)
  Bottom Layer w0.4: v1(53.716,80.178) 53.716,80.16 54.247,79.63 54.247,66.566 54.032,66.351 54.032,63.951 54.61,63.373 54.61,53.369 56.884,51.095 v1(56.884,50.533) ; v1(73.152,41.656) 73.152,33.401 74.295,32.258 74.295,21.717 72.39,19.812 72.39,9.652 73.533,8.509 R6.2@78.105,8.509
Adc1: L2.1 P2.1 T1.7 | length 185.6
  Top Layer w0.4: T1.7@6.873,30.226 20.383,30.226 v1(22.17,28.44) ; v1(40.013,19.714) 41.72,18.007 48.142,18.007 49.664,19.529 57.052,19.529 61.496,15.085 83.643,15.085 84.884,13.844 84.884,11.128 92.075,3.937 125.474,3.937 125.709,4.171 L2.1@125.709,8.735 125.709,10.76 127.38,12.431 133.7,12.431 v1(135.503,14.234)
  Bottom Layer w0.4: v1(22.17,28.44) 22.229,28.38 26.468,28.38 27.202,29.114 27.202,29.31 27.463,29.571 33.697,29.571 37.084,26.184 37.084,22.333 39.385,20.032 39.459,20.032 39.778,19.714 v1(40.013,19.714) ; v1(135.503,14.234) 140.048,14.234 140.282,14.468 140.282,31.97 140.831,32.52 P2.1@149.425,32.52